# Allegro board WNS_FDM_2V1-1221P2.brd (continued)
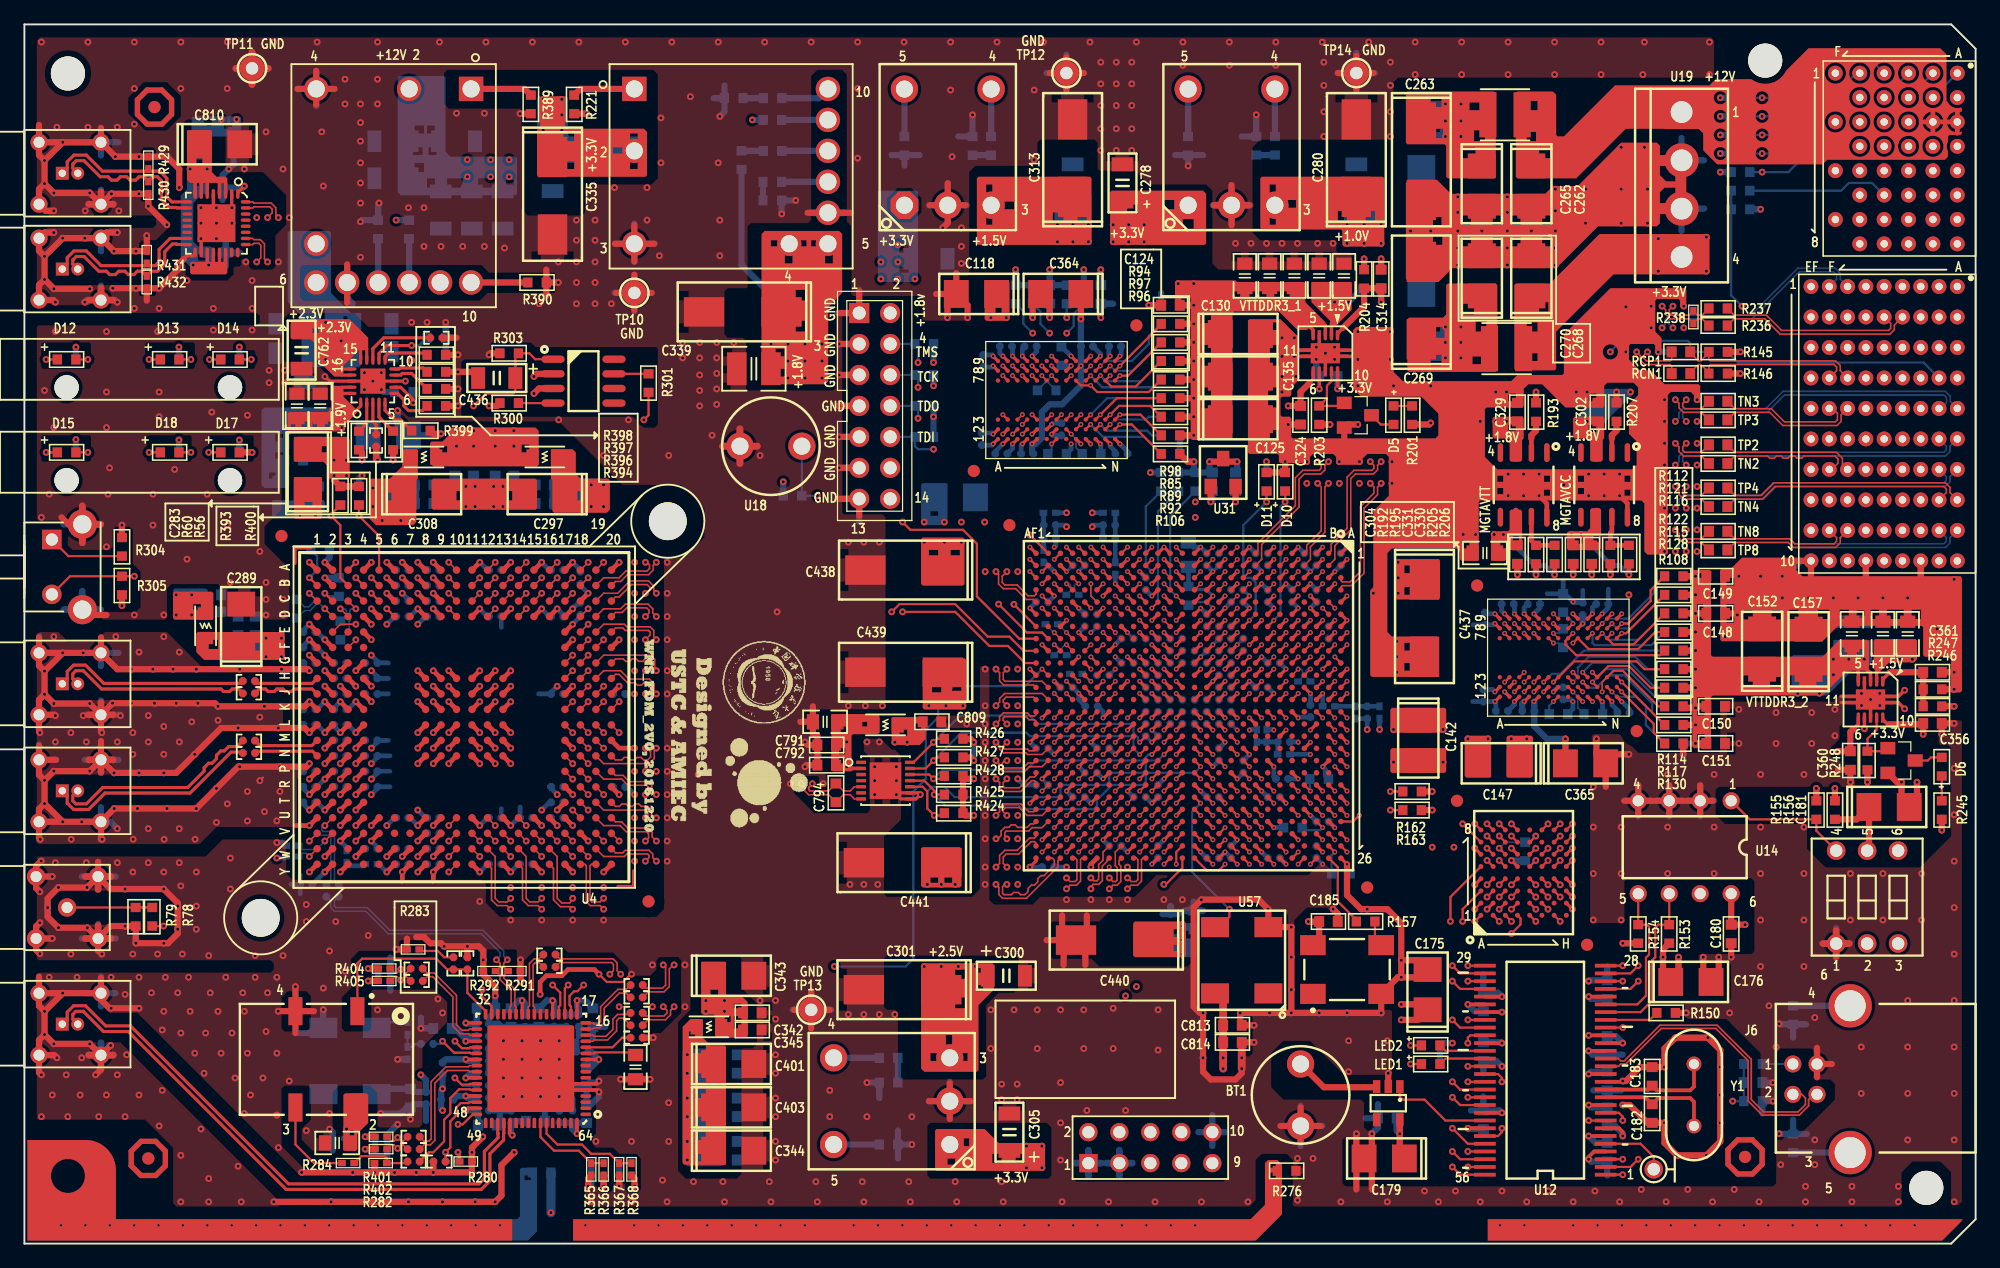
[diagram p0: board, top side]
## Routing (per net, layer and track width the routed paths; a pad name or vN(x,y) marks a point on that pad's centre or on a via; arc(x,y) is an arc through that point) (continued)
VINI+: length 5.3
  TOP w0.254: C770.2 19.1,45.95 23.6,45.95 U4.H1
VINI-: length 5.8
  TOP w0.254: U4.J1 23.6,45.49 22.11,45.49 21.91,45.29 21.4,45.29 21.2,45.49 20.69,45.49 20.49,45.29 19.98,45.29 19.78,45.49 19.27,45.49 C771.2
VINQ+: length 5.3
  TOP w0.254: U4.N1 23.62,40.39 19.06,40.39 C772.2
VINQ-: length 5.4
  TOP w0.254: U4.M1 23.57,40.84 19.33,40.84 C773.2
/RST_FPGA: length 61.3
  TOP w0.178: U15.T19 v1(92.45,38.12) ; v2(50.8,67.56) 51.18,67.94 R301.2
  ART03 w0.102: 88.18,48.72 87.17,48.72 86.94,48.95
  ART03 w0.119: 86.94,48.95 86.28,49.61 84.12,49.61 83.08,50.65 78.64,50.65 74.42,54.86 63.5,54.86 v2(50.8,67.56) ; 88.18,48.72 89.28,47.62 89.79,47.62 90.93,46.48 90.93,45.85 91.19,45.59 91.69,45.59 91.95,45.34 91.95,38.62 v1(92.45,38.12)
/SCS: length 76.1
  TOP w0.178: U15.AA10 v1(87.45,48.12) ; U4.C4 v2(27.18,53.34)
  ART03 w0.119: v2(27.18,53.34) 25.53,54.99 25.53,56.77 26.8,58.04 33.4,58.04 34.7,59.33 47.93,59.33 50.85,62.26 54.86,62.26 63.14,53.98 74.3,53.98 78.33,49.94 82.02,49.94 83.31,48.64 83.77,48.64 84.28,48.13 85.67,48.13 86.11,48.57 86.61,48.57 87.06,48.12 v1(87.45,48.12)
A00: length 23.7
  TOP w0.178: U17.A1 v2(118.94,26.43) ; U15.J23 v1(100.45,34.12)
  ART08 w0.119: v1(100.45,34.12) 100.75,34.12 101.27,33.6 104.7,33.6 105.66,32.64 105.66,32.18 106.22,31.62 106.68,31.62 106.93,31.37 106.93,30.73 108.08,29.59 114.17,29.59 115.82,27.94 117.43,27.94 v2(118.94,26.43)
A0: length 10.9
  TOP w0.178: U14.1 141.48,34.8 R155.1 146.94,33.86 SW1.6
A01: length 28.7
  TOP w0.178: U15.K23 v1(99.45,34.12) ; U17.B1 v2(120.94,26.43)
  ART10 w0.119: v2(120.94,26.43) 120.03,25.53 116.71,25.53 115.44,26.8 106.43,26.8 104.39,28.83 101.47,28.83 99.95,30.35 99.95,33.62 v1(99.45,34.12)
A02: length 31.9
  TOP w0.178: U17.C1 v2(121.94,26.43) ; U15.K22 v1(99.45,35.12)
  ART10 w0.119: v1(99.45,35.12) 98.93,34.6 98.93,30.61 101.09,28.45 104.14,28.45 106.17,26.42 115.19,26.42 116.46,25.15 120.65,25.15 v2(121.94,26.43)
A03: length 33.9
  TOP w0.178: U17.D1 122.68,26.68 122.68,26.18 v2(121.94,25.43) ; U15.L22 v1(98.45,35.12)
  ART10 w0.119: v1(98.45,35.12) 97.97,34.64 97.97,30.81 100.71,28.07 102.74,28.07 105.03,25.78 115.19,25.78 116.2,24.77 121.27,24.77 v2(121.94,25.43)
A04: length 26.9
  TOP w0.178: U15.J25 v1(100.45,32.12) ; U17.D2 v2(121.94,27.43)
  ART10 w0.119: v2(121.94,27.43) 121.44,26.93 120.66,26.93 119.63,25.91 118.75,25.91 118.44,26.22 118.44,26.66 116.65,28.45 105.95,28.45 104.81,29.59 101.98,29.59 100.97,30.61 100.97,31.37 100.45,31.88 v1(100.45,32.12)
A05: length 23
  TOP w0.178: U17.A2 v2(118.94,27.43) ; U15.J24 v1(100.45,33.12)
  ART10 w0.119: v1(100.45,33.12) 100.97,32.61 100.97,31.88 101.22,31.62 101.73,31.62 101.98,31.37 101.98,30.86 102.49,30.35 105.16,30.35 106.3,29.21 117.16,29.21 v2(118.94,27.43)
A06: length 25.7
  TOP w0.178: U15.H22 v1(101.45,35.12) ; U17.C2 v2(120.94,27.43)
  ART08 w0.119: v1(101.45,35.12) 102.68,35.12 103.4,34.4 104.92,34.4 105.72,33.6 106.74,33.6 106.93,33.4 106.93,32.89 107.19,32.64 107.7,32.64 107.95,32.38 107.95,30.86 108.46,30.35 114.68,30.35 116.11,28.93 120.21,28.93 120.44,28.7 120.44,27.93 v2(120.94,27.43)
A07: length 23.8
  TOP w0.178: U15.H24 v1(101.45,33.12) ; U17.A3 117.94,27.43 v2(117.94,26.43)
  ART08 w0.119: v1(101.45,33.12) 103.79,33.12 104.27,32.64 104.77,32.64 104.95,32.46 104.95,31.83 105.16,31.62 105.66,31.62 105.97,31.31 105.97,30.8 106.36,30.42 106.74,30.42 107.95,29.21 113.92,29.21 115.57,27.56 116.81,27.56 v2(117.94,26.43)
A08: length 23.4
  TOP w0.178: U17.B3 v2(119.94,28.43) ; U15.H23 v1(101.45,34.12)
  ART08 w0.119: v2(119.94,28.43) 115.97,28.43 114.43,29.97 108.2,29.97 107.51,30.67 107.51,31.31 106.93,31.88 106.93,32.38 106.68,32.64 106.17,32.64 104.78,34.04 103.25,34.04 102.62,34.67 102,34.67 v1(101.45,34.12)
A09: length 24.1
  TOP w0.178: U17.C3 v2(120.94,28.43) ; U15.G21 v1(102.45,36.12)
  ART03 w0.119: v2(120.94,28.43) 120.45,27.94 114.81,27.94 112.52,30.23 108.08,30.23 106.66,31.64 106.16,31.64 105.54,32.26 105.54,33.27 104.65,34.16 104.41,34.16 v1(102.45,36.12)
A10: length 27.6
  TOP w0.178: U17.D3 v2(121.94,28.43) ; U15.H21 v1(101.45,36.12)
  ART03 w0.119: v1(101.45,36.12) 101.68,36.12 102.23,35.56 102.49,35.56 104.27,33.78 104.52,33.78 105.03,33.27 105.03,32.26 105.96,31.33 105.96,30.95 107.06,29.84 112.39,29.84 114.68,27.56 117.86,27.56 118.47,26.94 121.3,26.94 121.44,27.07 121.44,27.93 v2(121.94,28.43)
A11: length 24.9
  TOP w0.178: U17.C4 v2(120.94,29.43) ; U15.H26 v1(101.45,31.12)
  ART10 w0.119: v2(120.94,29.43) 120.44,28.93 120.44,27.22 120.15,26.93 118.61,26.93 116.71,28.83 106.11,28.83 104.96,29.97 102.23,29.97 101.45,30.75 v1(101.45,31.12)
A12: length 25
  TOP w0.178: U17.A5 116.94,28.43 v2(116.94,26.43) ; U15.J26 v1(100.45,31.12)
  ART10 w0.119: v1(100.45,31.12) 100.45,30.48 101.73,29.21 104.65,29.21 105.79,28.07 115.3,28.07 v2(116.94,26.43)
A13: length 17.6
  TOP w0.178: U15.E26 v1(104.45,32.12) ; U17.B5 v2(119.94,31.43)
  ART10 w0.119: v2(119.94,31.43) 109.92,31.43 108.71,32.64 104.97,32.64 v1(104.45,32.12)
A14: length 20
  TOP w0.178: U17.C5 v2(120.94,31.43) ; U15.F25 v1(103.45,32.12)
  ART10 w0.119: v2(120.94,31.43) 120.37,30.86 109.73,30.86 108.97,31.62 106.17,31.62 105.79,32 105.03,32 104.65,31.62 103.95,31.62 v1(103.45,32.12)
A15: length 22.9
  TOP w0.178: U17.D7 v2(121.94,33.43) ; U15.G26 v1(102.45,31.12)
  ART10 w0.119: v1(102.45,31.12) 102.45,31.97 104.09,33.61 108.88,33.61 109.35,33.15 118.11,33.15 118.33,32.93 121.44,32.93 v2(121.94,33.43)
A16: length 26.6
  TOP w0.178: U15.K17 v1(99.45,40.12) ; U17.D8 v2(121.94,34.43)
  ART08 w0.119: v2(121.94,34.43) 119.85,36.51 111.7,36.51 108.58,39.62 105.28,39.62 104.9,40.01 101.09,40.01 100.71,39.62 100.2,39.62 99.71,40.12 v1(99.45,40.12)
A17: length 26.5
  TOP w0.178: v2(117.94,34.43) U17.A7 ; U15.K16 v1(99.45,41.12)
  ART10 w0.119: v2(117.94,34.43) 108.45,34.43 107.98,34.89 107.98,35.27 107.65,35.6 101.17,35.6 99.95,36.83 99.95,40.62 v1(99.45,41.12)
A18: length 25.1
  TOP w0.178: U15.L20 v1(98.45,37.12) ; U17.B7 v2(119.94,33.43)
  ART08 w0.119: v1(98.45,37.12) 98.95,37.62 99.67,37.62 99.95,37.34 99.95,36.96 100.29,36.62 103.72,36.62 104.24,36.1 104.74,36.1 105.22,35.62 109.66,35.62 111.76,33.53 119.84,33.53 v2(119.94,33.43)
A19: length 24.9
  TOP w0.178: U15.J19 v1(100.45,38.12) ; U17.C7 v2(120.94,33.43)
  ART08 w0.119: v1(100.45,38.12) 100.73,38.12 101.22,38.61 101.73,38.61 102.23,38.1 103.25,38.1 103.73,37.62 108.81,37.62 111.89,34.54 116.84,34.54 117.28,34.99 119.13,34.99 119.44,34.68 119.44,34.23 119.74,33.93 120.19,33.93 120.69,33.43 v2(120.94,33.43)
A20: length 24.5
  TOP w0.178: U15.J18 v1(100.45,39.12) ; U17.C8 v2(120.94,34.43)
  ART08 w0.119: v2(120.94,34.43) 120.94,34.89 119.7,36.13 111.57,36.13 109.09,38.61 105.66,38.61 104.65,39.62 101.22,39.62 100.71,39.12 v1(100.45,39.12)
A21: length 21.9
  TOP w0.178: U17.A8 v2(118.94,34.43) ; U15.J20 v1(100.45,37.12)
  ART08 w0.119: v2(118.94,34.43) 118.42,33.91 112.01,33.91 109.31,36.62 104.23,36.62 103.23,37.62 100.95,37.62 v1(100.45,37.12)
A22: length 34.3
  TOP w0.178: U15.K20 v1(99.45,37.12) ; U17.G1 v2(125.94,26.43)
  ART08 w0.119: v2(125.94,26.43) 125.43,26.94 125.43,27.73 125.22,27.94 124.71,27.94 124.43,28.23 124.43,28.71 124.21,28.93 123.6,28.93 123.32,29.21 123.32,29.97 122.56,30.73 116.2,30.73 115.44,31.5 110.87,31.5 108.76,33.61 107.23,33.61 106.93,33.91 106.93,34.42 106.74,34.61 105.21,34.61 104.95,34.88 104.95,35.39 104.69,35.65 100.62,35.65 99.45,36.82 v1(99.45,37.12)
A23: length 27.4
  TOP w0.178: U15.G20 v1(102.45,37.12) ; U17.H8 v2(126.94,34.43)
  ART10 w0.119: v2(126.94,34.43) 124.85,36.51 110.55,36.51 109.47,37.59 102.93,37.59 v1(102.45,37.12)
A24: length 23.6
  TOP w0.178: U15.H19 v1(101.45,38.12) ; U17.B6 v2(119.94,32.43)
  ART03 w0.119: v1(101.45,38.12) 101.98,37.59 103.25,37.59 104.22,36.63 106.73,36.63 106.93,36.83 106.93,37.34 107.19,37.59 107.7,37.59 107.95,37.34 107.95,36.96 108.28,36.62 108.66,36.62 111.38,33.91 113.16,33.91 113.92,33.15 119,33.15 119.72,32.43 v2(119.94,32.43)
A25: length 19
  TOP w0.178: U17.B8 v2(119.94,34.43) ; U15.E20 v1(104.45,37.12)
  ART03 w0.119: v1(104.45,37.12) 105.69,38.35 108.87,38.35 111.12,36.1 112.9,36.1 114.08,34.92 119.44,34.92 v2(119.94,34.43)
ADC_TDIODE+: length 57.3
  TOP w0.124: v2(63.7,37.72) 64.01,37.42 64.01,37.11 64.3,36.82 65.94,36.82 C794.1 67.16,36.82 67.71,36.82 68.06,36.47 68.61,36.47 U60.7 ; U4.E2 25.91,50.8 v2(27.18,50.8)
  ART08 w0.109: v2(27.18,50.8) 27.18,50.67 26.92,50.42 26.77,50.42 26.66,50.53 26.66,51.04 26.89,51.28 30.26,51.28 31.18,50.35 31.18,43.69 32,42.87 40.26,42.87 43.28,39.85 49.24,39.85 49.6,39.5 52.83,39.5 53.34,40.01 61.59,40.01 63.37,38.23 63.84,38.23 63.95,38.12 63.95,37.96 v2(63.7,37.72)
ADC_TDIODE-: length 57.3
  TOP w0.124: U60.5 68.06,37.47 67.71,37.12 67.16,37.12 C794.2 65.94,37.12 64.42,37.12 64.31,37.24 64.31,37.42 v2(64.61,37.72) ; 26.54,48.9 v2(27.18,49.53)
  ART08 w0.109: v2(27.18,49.53) 27.18,49.9 26.97,50.1 26.64,50.1 26.35,50.4 26.35,51.17 26.77,51.59 30.38,51.59 31.5,50.48 31.5,43.81 32.13,43.18 40.39,43.18 43.4,40.16 49.37,40.16 49.73,39.81 52.7,39.81 53.21,40.32 61.72,40.32 63.5,38.54 63.97,38.54 64.26,38.25 64.26,38.07 v2(64.61,37.72)
ADV_B: length 24.5
  TOP w0.178: U15.D20 v1(105.45,37.12) ; U17.F6 v2(124.94,32.43)
  ART03 w0.119: v2(124.94,32.43) 124.44,32.93 123.28,32.93 122.28,33.93 114.41,33.93 113.67,34.67 111.89,34.67 108.58,37.97 106.31,37.97 v1(105.45,37.12)
  BOTTOM w0.178: v1(105.45,37.12) 105.41,37.16 R161.2
BANK16_DDR3_CLK+: length 86.6
  TOP w0.124: C787.2 51.16,18.37 52.58,18.37 52.98,18.77 52.98,19.14 v2(53.28,19.43) ; U15.E11 v1(104.45,47.12)
  ART10 w0.102: 97.14,46.78 97.17,46.78 97.22,46.72 104.74,46.72 104.85,46.84 104.85,47.02 104.75,47.12 v1(104.45,47.12)
  ART10 w0.109: 97.14,46.78 96.88,46.78 95.63,45.53 95.63,30.93 97.22,29.33 97.22,24.89 94.1,21.78 92.71,21.78 88.08,17.14 53.85,17.14 52.99,18 52.99,19.14 v2(53.28,19.43)
  BOTTOM w0.124: v1(104.45,47.12) 104.67,47.12 104.8,46.99 104.8,46.46 R423.2
BANK16_DDR3_CLK-: length 86.9
  TOP w0.124: U15.D11 v1(105.45,47.12) ; C788.2 50.96,18.67 52.45,18.67 52.68,18.9 52.68,19.14 v2(52.39,19.43)
  ART10 w0.102: v1(105.45,47.12) 105.16,47.12 105.05,47.02 105.05,46.75 104.82,46.52 97.22,46.52 97.17,46.46 97.14,46.46
  ART10 w0.109: v2(52.39,19.43) 52.68,19.14 52.68,17.88 53.72,16.83 88.21,16.83 92.84,21.46 94.23,21.46 97.54,24.77 97.54,29.46 95.94,31.06 95.94,45.4 97.01,46.46 97.14,46.46
  BOTTOM w0.124: R423.1 105.1,46.46 105.1,46.99 105.23,47.12 v1(105.45,47.12)
BANK16_VREF_T0: length 1.3
  TOP w0.254: U15.H11 v1(101.45,47.12)
  BOTTOM w0.381: v1(100.45,42.12) 100.5,42.16 R418.2
BANK16_VREF_T3: length 1.8
  TOP w0.254: U15.C13 v1(106.45,45.12)
  BOTTOM w0.381: R415.2 v1(106.45,45.12)
BANK34_DDR3_CLK+: length 81.1
  TOP w0.124: U15.AC4 v1(85.45,54.12) ; v2(53.28,22.86) 53.21,22.86 52.88,22.53 52.88,21.08 52.45,20.65 51.16,20.65 C789.2
  ART10 w0.102: v1(85.45,54.12) 85.75,54.12 85.85,54.02 85.85,51.66 86.85,50.66 86.85,49.83 87.16,49.52 88.66,49.52 88.85,49.33 88.85,48.83 89.16,48.52 89.66,48.52 89.85,48.33 89.85,44.61 90.85,43.61 90.85,33.83 91.16,33.52 91.66,33.52 91.85,33.33 91.85,31.86 91.8,31.8 91.8,31.78
  ART10 w0.109: 91.8,31.78 91.8,31.62 91.7,31.52 91.7,30.67 91.89,30.48 91.89,26.1 87.31,21.52 66.8,21.52 66.1,22.23 56.17,22.23 55.96,22.43 55.63,22.43 55.43,22.23 55.1,22.23 54.9,22.43 54.57,22.43 54.37,22.23 53.18,22.23 52.99,22.42 52.99,22.57 v2(53.28,22.86)
  BOTTOM w0.124: R422.2 85.8,53.57 85.8,53.98 85.66,54.12 v1(85.45,54.12)
BANK34_DDR3_CLK-: length 81.1
  TOP w0.124: v2(52.39,22.86) 52.58,22.67 52.58,21.21 52.32,20.95 50.96,20.95 C790.2 ; v1(86.45,54.12) U15.AC3
  ART10 w0.102: v1(86.45,54.12) 86.16,54.12 86.05,54.02 86.05,51.74 87.05,50.74 87.05,49.91 87.24,49.72 88.75,49.72 89.05,49.41 89.05,48.91 89.24,48.72 89.75,48.72 90.05,48.41 90.05,44.69 91.05,43.69 91.05,33.91 91.24,33.72 91.75,33.72 92.05,33.41 92.05,31.86 92.11,31.8 92.11,31.78
  ART10 w0.109: 92.11,31.78 92.11,31.49 92.01,31.39 92.01,30.8 92.2,30.61 92.2,25.97 87.44,21.21 66.67,21.21 65.97,21.91 53.05,21.91 52.68,22.29 52.68,22.57 v2(52.39,22.86)
  BOTTOM w0.124: v1(86.45,54.12) 86.25,54.12 86.1,53.98 86.1,53.57 R422.1
BANK34_VREF_T0: length 1.5
  TOP w0.254: U15.W4 v1(89.45,54.12)
  BOTTOM w0.381: R410.2 v1(89.45,54.12)
BANK34_VREF_T3: length 1.9
  TOP w0.254: U15.AD3 v1(84.45,55.12)
  BOTTOM w0.381: v1(84.45,55.12) 83.69,55.88 R412.2
CAL: length 81.3
  TOP w0.178: v1(88.45,45.12) U15.AA13 ; U4.D6 v2(29.72,52.07)
  ART03 w0.119: v1(88.45,45.12) 87.94,45.63 87.94,47.31 87.63,47.62 84.33,47.62 83.69,48.26 83.19,48.26 81.86,49.58 78.18,49.58 74.17,53.59 62.83,53.59 54.58,61.85 51.02,61.85 48.1,58.93 34.92,58.93 33.66,57.66 26.92,57.66 25.91,56.64 25.91,55.2 27.13,53.98 28.7,53.98 29.08,53.59 29.08,52.7 v2(29.72,52.07)
CALDLY: length 84.3
  TOP w0.127: U15.AE11 v1(83.45,47.12)
  TOP w0.178: U4.V4 v2(27.18,33.02)
  ART08 w0.119: v2(27.18,33.02) 28.51,31.69 28.51,30.8 31.37,27.94 35.18,27.94 38.99,24.13 45.97,24.13 47.37,22.73 50.55,22.73 51.05,22.23 65.91,22.23 v2(66.42,22.73)
  BOTTOM w0.178: v1(83.45,47.12) 82.05,45.72 76.2,45.72 74.93,44.45 74.93,43.18 73.91,42.16 73.91,38.11 72.89,37.08 72.89,23.36 72.26,22.73 v2(66.42,22.73)
CALRUN: length 71.7
  TOP w0.178: U15.AB12 v1(87.45,45.12) ; U4.B5 v2(28.45,54.61)
  ART03 w0.119: v1(87.45,45.12) 86.93,45.65 86.31,45.65 85.98,45.97 85.98,46.35 85.34,46.99 84.2,46.99 83.57,47.62 83.06,47.62 82.55,48.13 82.3,48.13 81.58,48.85 77.89,48.85 73.91,52.83 62.51,52.83 58.45,56.9 50.45,56.9 49.18,58.17 35.43,58.17 34.16,56.9 27.3,56.9 26.64,56.23 26.64,55.66 27.05,55.24 27.81,55.24 v2(28.45,54.61)
CCLK: length 46.5
  TOP w0.178: U15.C8 v1(106.45,50.12) ; U17.E6 v2(123.94,32.43)
  ART03 w0.119: v2(123.94,32.43) 124.16,32.43 124.65,31.94 125.16,31.94 125.43,32.21 125.43,32.82 122.05,36.2 113.41,36.2 113.06,36.54 111.26,36.54 109.09,38.71 105.18,38.71 100.97,42.93 100.97,43.56 99.95,44.58 99.95,49.28 101.3,50.62 105.95,50.62 v1(106.45,50.12)
CLK100_OUT+: length 46.8
  TOP w0.254: U34.51 38.82,9.06 38.84,9.04 38.84,8.68 37.72,7.56 37.72,5.35 37.28,4.9 21.65,4.9 8.7,17.86 6.67,17.86 5.02,19.51 4.03,19.51 3.51,18.99 3.51,18.41 J11.1
CLK100_OUT-: length 46.8
  TOP w0.254: U34.52 39.32,9.06 39.3,9.04 39.3,8.49 38.18,7.37 38.18,5.16 37.47,4.45 21.46,4.45 8.51,17.4 6.48,17.4 4.83,19.05 4.22,19.05 3.97,18.8 3.97,18.41 J11.2
CLK+: length 6.8
  TOP w0.124: U4.U2 v2(24.64,34.29)
  BOTTOM w0.124: C432.1 25.42,29.81 25.42,33.42 25.04,33.81 24.49,33.81 24.38,33.91 24.38,34.17 24.51,34.29 v2(24.64,34.29)
CLK-: length 6.9
  TOP w0.124: U4.V1 v2(23.37,33.02)
  BOTTOM w0.124: C433.1 25.12,29.81 25.12,33.3 24.92,33.5 23.85,33.5 v2(23.37,33.02)
CLKIN_SEL0: length 7.2
  TOP w0.178: U34.58 42.32,8.74 43.43,7.62 45.47,7.62 R365.2 R366.2
CLKIN_SEL1: length 8.9
  TOP w0.178: U34.59 42.82,9.02 43.71,8.13 45.72,8.13 46.48,7.37 48.01,7.37 R367.2 R368.2
D00: length 21.9
  TOP w0.178: U15.B24 v1(107.45,33.12) ; U17.F2 v2(124.94,27.43)
  ART08 w0.119: v2(124.94,27.43) 124.72,27.43 124.21,27.94 123.57,27.94 122.94,28.57 122.94,29.72 122.3,30.35 115.95,30.35 115.19,31.11 110.36,31.11 108.84,32.64 108.2,32.64 107.72,33.12 v1(107.45,33.12)
D01: length 19.6
  TOP w0.178: U17.E2 v2(123.94,27.43) ; U15.A25 v1(108.45,32.12)
  ART08 w0.119: v2(123.94,27.43) 123.45,27.43 122.56,28.32 122.56,29.59 122.17,29.97 115.7,29.97 114.94,30.73 109.84,30.73 v1(108.45,32.12)
D02: length 23.6
  TOP w0.178: U17.G3 v2(125.94,28.43) ; U15.B22 v1(107.45,35.12)
  ART08 w0.119: v1(107.45,35.12) 107.76,35.12 108.46,34.42 109.35,34.42 110.62,33.15 118.49,33.15 118.71,32.93 122.26,32.93 123.06,32.13 123.06,31.5 123.95,30.61 124.71,30.61 125.43,29.89 125.43,28.94 v2(125.94,28.43)
D03: length 19.3
  TOP w0.178: U17.E4 v2(123.94,29.43) ; U15.A22 v1(108.45,35.12)
  ART03 w0.119: v2(123.94,29.43) 122.5,30.86 119.76,30.86 119.51,31.11 114.81,31.11 112.78,33.15 110.43,33.15 v1(108.45,35.12)
D04: length 18.4
  TOP w0.178: U15.A23 108.95,34.62 v1(109.45,35.12) ; U17.E5 v2(123.94,31.43)
  ART03 w0.119: v1(109.45,35.12) 111.04,33.53 112.9,33.53 114.5,31.93 122.5,31.93 123,31.43 v2(123.94,31.43)
D05: length 19.6
  TOP w0.178: U15.A24 v1(108.45,33.12) ; U17.G5 v2(125.94,31.43)
  ART10 w0.119: v2(125.94,31.43) 125.44,31.93 110.06,31.93 108.87,33.12 v1(108.45,33.12)
D06: length 26.2
  TOP w0.178: U17.G6 v2(125.94,32.43) ; U15.D26 v1(104.45,31.12)
  ART10 w0.119: v2(125.94,32.43) 125.94,32.18 126.43,31.69 126.43,31.05 125.86,30.48 106.3,30.48 105.95,30.83 105.95,31.34 105.66,31.62 105.28,31.62 104.78,31.12 v1(104.45,31.12)
D07: length 27
  TOP w0.178: U17.H7 v2(126.94,33.43) ; U15.C26 v1(105.45,31.12)
  ART10 w0.119: v2(126.94,33.43) 127.51,32.86 127.51,31.24 126.36,30.1 106.17,30.1 105.45,30.82 v1(105.45,31.12)
D08: length 23
  TOP w0.178: U17.E1 v2(123.94,26.43) ; U15.C24 v1(106.45,33.12)
  ART03 w0.119: v2(123.94,26.43) 123.06,27.3 123.06,28.19 122.32,28.94 119.74,28.94 119.25,28.45 114.81,28.45 112.65,30.61 108.2,30.61 106.93,31.88 106.93,32.38 106.45,32.87 v1(106.45,33.12)
D09: length 23.3
  TOP w0.178: U15.D21 v1(105.45,36.12) ; U17.E3 v2(123.94,28.43)
  ART03 w0.119: v2(123.94,28.43) 123.72,28.43 121.87,30.27 119.46,30.27 119.38,30.35 114.49,30.35 112.48,32.37 109.87,32.37 107.65,34.59 107.27,34.59 106.93,34.92 106.93,35.31 106.64,35.6 106.26,35.6 105.74,36.12 v1(105.45,36.12)
D10: length 23.3
  TOP w0.178: U15.C22 v1(106.45,35.12) ; U17.F3 v2(124.94,28.43)
  ART08 w0.119: v1(106.45,35.12) 106.74,35.12 107.24,34.62 107.62,34.62 108.2,34.04 109.09,34.04 111.2,31.93 122.25,31.93 122.56,31.62 122.56,31.37 123.83,30.1 124.08,30.1 124.43,29.75 124.43,29.11 124.94,28.61 v2(124.94,28.43)
D11: length 23.5
  TOP w0.178: U17.F4 v2(124.94,29.43) ; U15.B20 v1(107.45,37.12)
  ART03 w0.119: v2(124.94,29.43) 124.43,28.93 123.73,28.93 122.09,30.57 119.55,30.57 119.38,30.73 114.65,30.73 112.62,32.77 110.11,32.77 107.95,34.92 107.95,36.32 107.45,36.82 v1(107.45,37.12)
D12: length 20.3
  TOP w0.178: U17.F5 v2(124.94,31.43) ; U15.A20 v1(108.45,37.12)
  ART03 w0.119: v1(108.45,37.12) 108.8,37.12 111.63,34.29 113.41,34.29 114.17,33.53 119.13,33.53 119.72,32.93 122.26,32.93 123.26,31.94 124.15,31.94 124.65,31.43 v2(124.94,31.43)
D13: length 25.9
  TOP w0.178: U17.H5 v2(126.94,31.43) ; U15.E22 v1(104.45,35.12)
  ART10 w0.119: v1(104.45,35.12) 104.96,34.61 107.75,34.61 108.33,34.04 109.09,34.04 109.2,33.93 122.41,33.93 123.41,32.93 126.2,32.93 126.43,32.7 126.43,32.19 126.94,31.69 v2(126.94,31.43)
D14: length 22.4
  TOP w0.178: U15.C21 v1(106.45,36.12) ; U17.G7 v2(125.94,33.43)
  ART10 w0.119: v1(106.45,36.12) 106.92,36.59 109.72,36.59 110.17,36.13 122.11,36.13 124.81,33.43 v2(125.94,33.43)
D15: length 19
  TOP w0.178: U17.E7 v2(123.94,33.43) ; U15.B21 v1(107.45,36.12)
  ART10 w0.119: v2(123.94,33.43) 122.44,34.92 110.36,34.92 109.68,35.61 108.28,35.61 107.77,36.12 v1(107.45,36.12)
DCLKI_N: length 72.5
  TOP w0.124: U4.K20 v2(48.77,44.45) ; U15.AC16 v1(85.45,41.12)
  ART03 w0.102: v1(85.45,41.12) 85.83,41.12 85.93,41.02 85.93,40.82 85.83,40.72 85.26,40.72 85.05,40.93 85.05,41.44 84.77,41.72 83.16,41.72 83.11,41.78 83.08,41.78
  ART03 w0.109: v2(48.77,44.45) 48.26,44.45 48.13,44.32 48.13,43.18 48.34,42.98 49.07,42.98 49.28,43.18 49.28,43.88 49.65,44.25 50.36,44.25 50.73,43.88 50.73,42.04 50.93,41.84 51.24,41.84 51.44,42.04 51.44,44 51.83,44.4 52.5,44.4 52.89,44.01 52.89,41.91 53.09,41.71 53.4,41.71 53.59,41.91 53.59,44.89 53.97,45.27 54.61,45.27 54.99,44.89 54.99,43.05 55.19,42.86 55.56,42.86 55.75,43.05 55.75,44.89 56.13,45.27 56.77,45.27 57.15,44.89 57.15,43.05 57.35,42.86 57.72,42.86 57.91,43.05 57.91,44.89 58.29,45.27 58.93,45.27 59.31,44.89 59.31,43.05 59.5,42.86 59.88,42.86 60.07,43.05 60.07,44.89 60.45,45.27 61.09,45.27 61.47,44.89 61.47,43.05 61.66,42.86 62.1,42.86 62.3,43.06 62.3,44.9 62.65,45.25 63.4,45.25 63.75,44.89 63.75,43.75 63.94,43.56 75.56,43.56 77.09,42.04 77.67,42.04 77.87,42.24 78.2,42.24 78.4,42.04 82.67,42.04 82.93,41.78 83.08,41.78
DCLKI_P: length 72.6
  TOP w0.124: U15.AB16 v1(86.45,41.12) ; U4.K19 v2(47.5,44.45)
  ART03 w0.102: v1(86.45,41.12) 86.23,41.12 86.13,41.02 86.13,40.74 85.91,40.52 85.18,40.52 84.85,40.85 84.85,41.35 84.69,41.52 83.16,41.52 83.11,41.46 83.08,41.46
  ART03 w0.109: v2(47.5,44.45) 47.82,44.13 47.82,43.05 48.21,42.66 49.2,42.66 49.59,43.05 49.59,43.75 49.78,43.94 50.23,43.94 50.42,43.75 50.42,41.91 50.8,41.53 51.37,41.53 51.75,41.91 51.75,43.87 51.96,44.09 52.37,44.09 52.58,43.88 52.58,41.78 52.96,41.4 53.53,41.4 53.91,41.78 53.91,44.76 54.1,44.96 54.48,44.96 54.68,44.76 54.68,42.92 55.06,42.55 55.69,42.55 56.07,42.92 56.07,44.76 56.26,44.96 56.64,44.96 56.84,44.76 56.84,42.92 57.22,42.55 57.85,42.55 58.22,42.92 58.22,44.76 58.42,44.96 58.8,44.96 59,44.76 59,42.92 59.38,42.55 60,42.55 60.38,42.92 60.38,44.76 60.58,44.96 60.96,44.96 61.16,44.76 61.16,42.92 61.53,42.55 62.23,42.55 62.61,42.93 62.61,44.77 62.78,44.94 63.27,44.94 63.44,44.76 63.44,43.62 63.81,43.25 75.44,43.25 76.96,41.72 82.54,41.72 82.8,41.46 83.08,41.46
DCLKOUT4+: length 5.2
  TOP w0.124: C454.2 42.2,23.05 41.91,23.05 41.72,22.86 41.72,19.5 41.82,19.4 U34.24
DCLKOUT4-: length 5.7
  TOP w0.124: U34.25 41.32,19.4 41.42,19.5 41.42,22.99 41.78,23.35 42.2,23.35 C453.2
DCLKOUT6+: length 22.5
  TOP w0.124: v2(39.6,23.28) 39.31,22.99 39.31,22.71 R291.1 39.31,22 39.31,21.78 40.22,20.87 40.22,19.5 40.32,19.4 U34.27
  BOTTOM w0.124: v2(39.6,23.28) 39.31,23.57 39.31,24 37.6,25.7 29.97,25.7 28.11,27.56 25.55,27.56 25.42,27.68 25.42,28.1 C432.2
DCLKOUT6-: length 22.5
  TOP w0.124: v2(38.71,23.28) 39,22.99 39,22.71 R292.2 39,22 39,21.66 39.92,20.74 39.92,19.5 39.82,19.4 U34.28
  BOTTOM w0.124: C433.2 25.12,28.1 25.12,27.56 25.42,27.26 27.99,27.26 29.84,25.4 37.48,25.4 39,23.88 39,23.57 v2(38.71,23.28)
DCLKQ_N: length 73.1
  TOP w0.124: U15.AA24 v1(87.45,33.12) ; U4.L20 v2(48.77,41.91)
  ART10 w0.102: 83.08,36.46 83.11,36.46 83.16,36.52 86.64,36.52 86.85,36.31 86.85,34.78 87.11,34.52 87.62,34.52 87.85,34.29 87.85,33.52 v1(87.45,33.12)
  ART10 w0.109: v2(48.77,41.91) 48.4,41.91 48.29,42.02 48.29,42.29 48.42,42.42 56.26,42.42 56.71,41.97 56.71,39.43 57.08,39.06 57.65,39.06 58.05,39.46 58.05,40.74 58.27,40.96 58.58,40.96 58.8,40.74 58.8,38.55 59.12,38.23 59.82,38.23 60.17,38.58 60.17,40.93 60.33,41.09 60.76,41.09 60.91,40.94 60.91,38.6 61.28,38.23 61.91,38.23 62.28,38.6 62.28,40.88 62.49,41.09 62.86,41.09 63.06,40.89 63.06,38.67 63.47,38.26 65.44,38.26 65.84,38.67 65.84,39.57 65.47,39.94 65.15,39.94 64.9,40.19 64.9,40.96 65.08,41.15 66.29,41.15 66.49,40.95 66.49,38.03 66.86,37.66 68.2,37.66 68.58,38.04 68.58,39.75 68.78,39.95 72.77,39.95 73.09,39.62 73.09,39.05 73.46,38.68 75.05,38.68 76.48,37.25 82,37.25 82.79,36.46 83.08,36.46
DCLKQ_P: length 73.1
  TOP w0.124: U15.Y23 v1(88.45,34.12) ; U4.L19 v2(47.5,41.91)
  ART10 w0.102: 83.08,36.78 83.11,36.78 83.16,36.72 86.72,36.72 87.05,36.39 87.05,34.87 87.2,34.72 87.71,34.72 88.05,34.37 88.05,34.22 88.16,34.12 v1(88.45,34.12)
  ART10 w0.109: 83.08,36.78 82.92,36.78 82.13,37.57 76.61,37.57 75.18,38.99 73.59,38.99 73.41,39.18 73.41,39.75 72.9,40.26 68.65,40.26 68.27,39.88 68.27,38.17 68.07,37.97 66.99,37.97 66.8,38.16 66.8,41.08 66.42,41.46 64.96,41.46 64.58,41.09 64.58,40.06 65.02,39.62 65.34,39.62 65.53,39.44 65.53,38.8 65.31,38.57 63.6,38.57 63.37,38.8 63.37,41.02 62.99,41.4 62.36,41.4 61.97,41.01 61.97,38.73 61.78,38.54 61.41,38.54 61.22,38.73 61.22,41.07 60.89,41.4 60.2,41.4 59.85,41.06 59.85,38.71 59.69,38.54 59.25,38.54 59.11,38.68 59.11,40.87 58.71,41.27 58.14,41.27 57.74,40.87 57.74,39.59 57.52,39.37 57.21,39.37 57.02,39.56 57.02,42.1 56.39,42.73 48.29,42.73 47.98,42.42 47.98,42.02 47.87,41.91 v2(47.5,41.91)
DDR3_1_A0: length 31.4
  TOP w0.178: v1(87.43,67.99) U10.K3 ; U15.Y3 v1(88.45,55.12)
  ART08 w0.119: v1(88.45,55.12) 89.79,56.46 89.79,58.29 89.92,58.42 91.44,58.42 91.57,58.55 91.57,60.03 91.71,60.17 92.21,60.17 92.33,60.29 92.33,60.53 92.21,60.65 91.71,60.65 91.57,60.79 91.57,60.99 91.71,61.13 92.21,61.13 92.33,61.25 92.33,61.48 92.21,61.6 91.71,61.6 91.57,61.74 91.57,61.94 91.71,62.08 92.21,62.08 92.33,62.2 92.33,62.44 92.21,62.56 91.71,62.56 91.57,62.7 91.57,63.75 91.69,63.88 92.2,63.88 92.33,64.01 92.33,64.26 92.2,64.39 88.14,64.39 87.83,64.69 87.83,67.59 v1(87.43,67.99)
  BOTTOM w0.178: v1(87.43,67.99) 88.78,69.34 R83.2
DDR3_1_A1: length 30.9
  TOP w0.178: v1(88.23,71.19) U10.L7 ; U15.AB1 v1(86.45,57.12)
  ART03 w0.119: v1(88.23,71.19) 88.23,70.73 88.35,70.61 88.51,70.61 88.63,70.48 88.63,70.13 88.51,70.01 88.38,70.01 88.27,69.89 88.27,69.65 88.38,69.53 88.53,69.53 88.65,69.41 88.65,69.17 88.53,69.05 88.38,69.05 88.27,68.94 88.27,68.7 88.38,68.58 88.49,68.58 88.63,68.44 88.63,65.28 88.76,65.15 88.91,65.15 89.03,65.03 89.03,64.77 88.9,64.64 87.88,64.64 87.76,64.52 87.76,63.58 87.9,63.44 88.27,63.44 88.39,63.56 88.39,64.14 88.51,64.26 88.9,64.26 89.03,64.14 89.03,59.92 88.91,59.8 88.38,59.8 88.27,59.68 88.27,59.44 88.38,59.33 88.89,59.33 89.03,59.19 89.03,58.99 88.89,58.85 88.38,58.85 88.27,58.73 88.27,58.49 88.38,58.37 88.89,58.37 89.03,58.23 89.03,57.9 88.91,57.78 87.12,57.78 v1(86.45,57.12)
  BOTTOM w0.178: R84.2 91.57,70.74 88.68,70.74 v1(88.23,71.19)